# Altium PCB WX0.007.247PCB-4.2.PcbDoc (part 2 of 2) (continued)
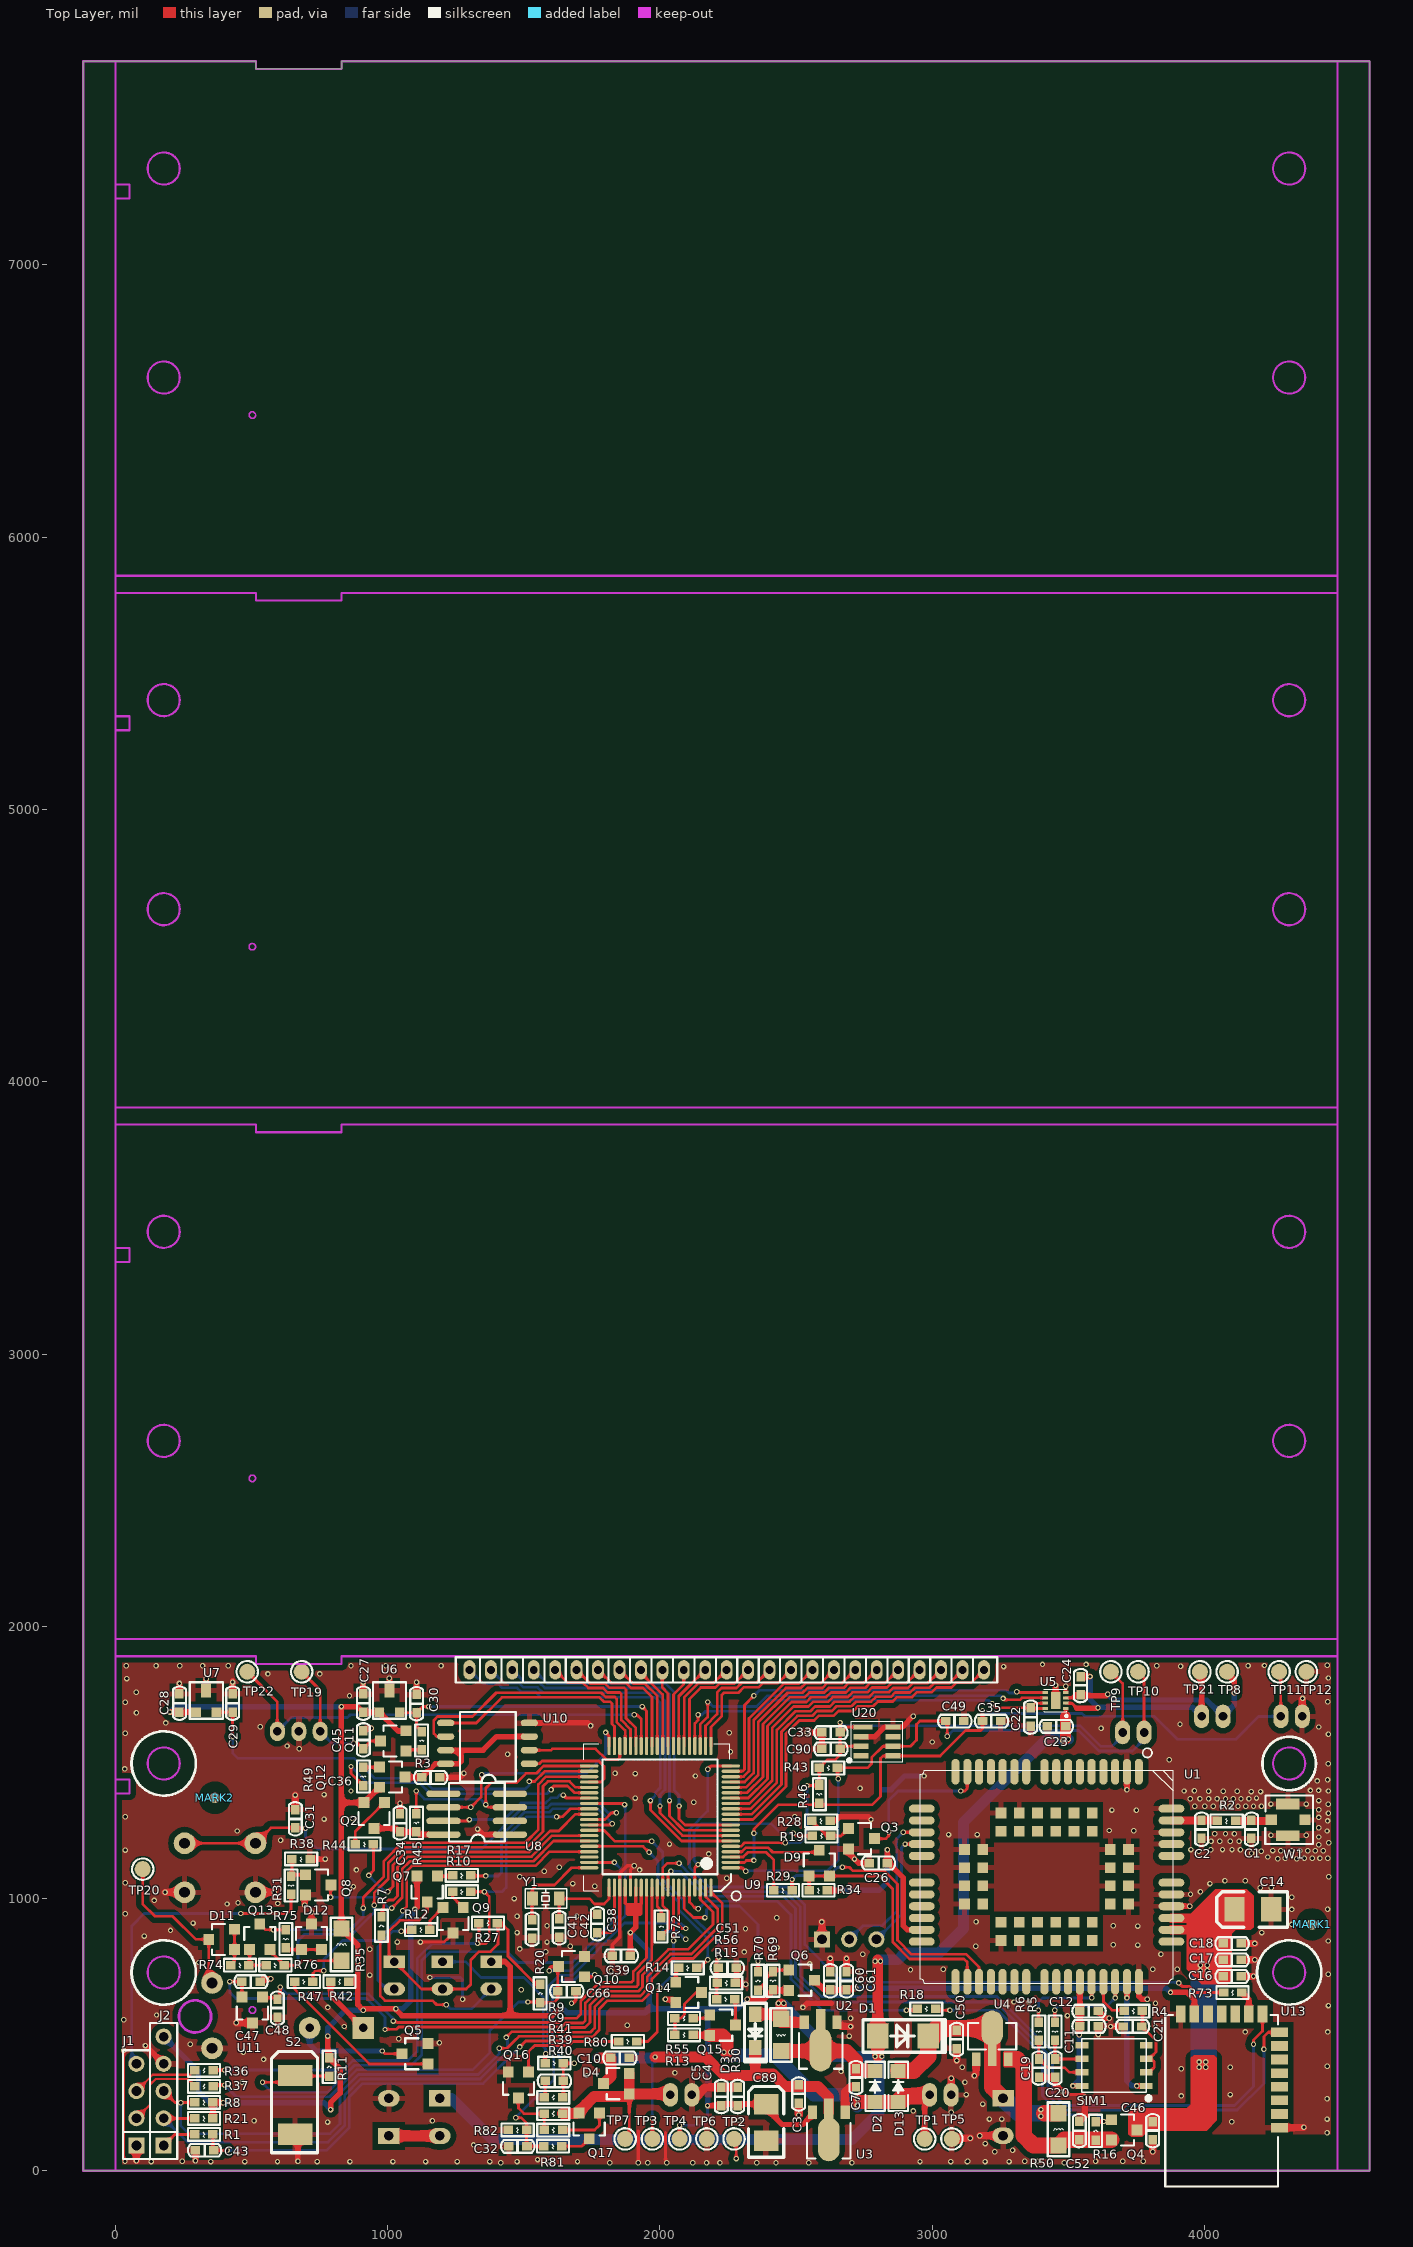
[diagram p0: Top Layer view]
## Nets (pads, with @x,y where several pads share a name; then routed paths per layer and width w, separated by ;. In a path a pad name is that pad's centre, name@x,y a point inside that pad or via, vN(x,y) a via of type N, cw(c..) or ccw(c..) an arc to the next point about the centre after c; other vN are vias at no path point) (continued)
  Top Layer w10: U5.2@3490.41,1717.5 3512.5,1717.5 3531.51,1698.49
  Top Layer w20: 3531.51,1698.49 3606.01,1698.49 v1(3608.76,1701.24) ; C24.1@3545,1815.49 v1(3579.51,1815.49) ; TP21.1@3983,1833 3989.26,1826.74 P3.1@3989.26,1669
  Bottom Layer w20: v1(3579.51,1815.49) 3579.51,1730.49 v1(3608.76,1701.24) 3609.82,1702.31 3955.95,1702.31 P3.1@3989.26,1669 P3.1@3989.26,1665.76
RESET: Q3.3 U1.15 | length 555.8
  Top Layer w10: Q3.3@2787.24,1220 2830,1220 2840,1230 v1(2840,1245) ; v1(3105,1395) 3120,1395 3128.66,1403.66 U1.15@3128.66,1465.83
  Bottom Layer w10: v1(2840,1245) 2840,1360 2875,1395 v1(3105,1395)
RST: C43.1 R1.1 U9.80 | length 2573.4
  Top Layer w10: R1.1@357.86,133.68 357.86,77.64 C43.1@360.49,75 v1(410,75) ; v1(1485,455) 1507,477 1658.92,477 1673.92,492 1752,492 1776.92,516.92 1776.92,595 1806.92,625 1935,625 1970,660 1970,704.45 2045,779.45 2122.02,779.45 2229,886.43 2229,981.51 2187.01,1023.5 U9.80@2187.01,1040.16
  Bottom Layer w10: v1(410,75) 775,75 859,159 859,271.88 907.12,320 1350,320 v1(1485,455)
RXD1: P9.1 TP22.1 U9.34 | length 1732.4
  Top Layer w10: TP22.1@484,1833 594.52,1722.48 P9.1@594.52,1614 ; v1(1905,1675) 1915,1675 1931.1,1658.9 U9.34@1931.1,1559.84
  Bottom Layer w10: P9.1@594.52,1614 645.52,1665 840,1665 852.43,1665 862.43,1675 v1(1905,1675)
RXD5: R72.2 U9.71 U13.9 | length 3361.2
  Top Layer w10: R72.2@2005,863 2032.5,890.5 2032.5,952.47 2009.84,975.13 U9.71@2009.84,1040.16 2009.84,1112.27 2027.57,1130 v1(2070,1130) ; v1(4180,465) 4180,480 4212.72,512.72 U13.9@4212.72,575.55
  Bottom Layer w10: v1(2070,1130) 2070,1129.04 2093,1106.04 2093,1105.53 2173.53,1025 2460,1025 2515,970 2515,718.08 2593.08,640 3238.08,640 3270,608.08 3270,607.57 3287.57,590 3288.08,590 3442,436.08 3442,285.57 3487.57,240 4110,240 4180,310 v1(4180,465)
S0: LCD1.5 U9.36 | length 485.6
  Top Layer w10: LCD1.5@1614.96,1840 1662.63,1792.33 1717.33,1792.33 1736.66,1773 1791.36,1773 1807.38,1756.98 1853.02,1756.98 1858,1752 1858,1655.08 1891.73,1621.35 U9.36@1891.73,1559.84
S1: LCD1.6 U9.35 | length 434.4
  Top Layer w10: LCD1.6@1693.7,1840 1743.7,1790 1798.4,1790 1814.42,1773.98 1869.12,1773.98 1875,1768.1 1875,1662.12 1911.42,1625.71 U9.35@1911.42,1559.84
S2: LCD1.7 U9.32 | length 419.3
  Top Layer w10: LCD1.7@1772.44,1840 1821.46,1790.98 1876.16,1790.98 1894.14,1773 1937,1773 1970.47,1739.53 U9.32@1970.47,1559.84
S3: LCD1.8 U9.31 | length 362.8
  Top Layer w10: LCD1.8@1851.18,1840 1901.18,1790 1944.04,1790 1990.16,1743.88 U9.31@1990.16,1559.84
S4: LCD1.9 U9.30 | length 313.2
  Top Layer w10: LCD1.9@1929.92,1840 1929.92,1829.04 2009.92,1749.04 U9.30@2009.92,1559.92
S5: LCD1.10 U9.29 | length 288.8
  Top Layer w10: LCD1.10@2008.66,1840 2008.66,1774.34 2029.53,1753.47 U9.29@2029.53,1559.84
S6: LCD1.11 U9.28 | length 296
  Top Layer w10: U9.28@2049.21,1559.84 2049.21,1749.21 2087.4,1787.4 LCD1.11@2087.4,1840
S7: LCD1.12 U9.27 | length 320.5
  Top Layer w10: U9.27@2068.9,1559.84 2068.9,1742.94 2165.96,1840 LCD1.12@2166.14,1840
S8: LCD1.13 U9.26 | length 377
  Top Layer w10: U9.26@2088.58,1559.84 2088.58,1738.58 2142,1792 2196.88,1792 LCD1.13@2244.88,1840
S9: LCD1.14 U9.25 | length 433
  Top Layer w10: U9.25@2108.27,1559.84 2108.27,1733.27 2150,1775 2203.92,1775 2218.92,1790 2273.62,1790 LCD1.14@2323.62,1840
S10: LCD1.15 U9.22 | length 441.6
  Top Layer w10: U9.22@2167.32,1559.84 2167.32,1634.36 2210,1677.03 2210,1757.03 2225.97,1773 2280.66,1773 2300.23,1792.57 2354.93,1792.57 LCD1.15@2402.36,1840
S11: LCD1.16 U9.21 | length 496.9
  Top Layer w10: U9.21@2187.01,1559.84 2187.01,1630 2227,1669.99 2227,1748 2235,1756 2287.71,1756 2307.27,1775.57 2361.97,1775.57 2378.2,1791.8 2432.9,1791.8 LCD1.16@2481.1,1840
S12: LCD1.17 U9.18 | length 576.1
  Top Layer w10: U9.18@2259.84,1447.64 2306.68,1447.64 2327,1467.96 2327,1661.86 2455.14,1790 2509.84,1790 LCD1.17@2559.84,1840
S13: LCD1.18 U9.17 | length 663
  Top Layer w10: U9.17@2259.84,1427.95 2311.04,1427.95 2344,1460.92 2344,1654.81 2462.19,1773 2516.88,1773 2534.44,1790.56 2589.14,1790.56 LCD1.18@2638.58,1840
S14: LCD1.19 U9.16 | length 749.9
  Top Layer w10: U9.16@2259.84,1408.27 2315.39,1408.27 2361,1453.88 2361,1647.77 2469.23,1756 2523.93,1756 2541.48,1773.56 2596.18,1773.56 2613.81,1791.19 2668.51,1791.19 LCD1.19@2717.32,1840
S15: LCD1.20 U9.15 | length 836.8
  Top Layer w10: U9.15@2259.84,1388.58 2319.75,1388.58 2378,1446.83 2378,1640.73 2476.27,1739 2530.97,1739 2548.53,1756.56 2603.22,1756.56 2620.85,1774.19 2675.55,1774.19 2692.68,1791.32 2747.38,1791.32 LCD1.20@2796.06,1840
S16: LCD1.21 U9.14 | length 923.7
  Top Layer w10: U9.14@2259.84,1368.9 2324.11,1368.9 2395,1439.79 2395,1633.69 2483.31,1722 2538.01,1722 2555.57,1739.56 2610.27,1739.56 2627.9,1757.19 2682.59,1757.19 2699.72,1774.32 2754.42,1774.32 2772.02,1791.92 2826.72,1791.92 LCD1.21@2874.8,1840
S17: LCD1.22 U9.13 | length 1010.6
  Top Layer w10: U9.13@2259.84,1349.21 2328.46,1349.21 2412,1432.75 2412,1626.65 2490.35,1705 2545.05,1705 2562.61,1722.56 2617.31,1722.56 2634.94,1740.19 2689.64,1740.19 2706.77,1757.32 2761.46,1757.32 2779.06,1774.92 2833.76,1774.92 2849.42,1790.58 2904.12,1790.58 LCD1.22@2953.54,1840
S18: LCD1.23 U9.12 | length 1097.5
  Top Layer w10: U9.12@2259.84,1329.53 2332.82,1329.53 2429,1425.71 2429,1619.61 2497.39,1688 2552.09,1688 2569.65,1705.56 2624.35,1705.56 2641.98,1723.19 2696.68,1723.19 2713.81,1740.32 2768.51,1740.32 2786.1,1757.92 2840.8,1757.92 2856.46,1773.58 2911.16,1773.58 2928.79,1791.21 2983.49,1791.21 LCD1.23@3032.28,1840
S19: LCD1.24 U9.11 | length 1184.4
  Top Layer w10: U9.11@2259.84,1309.84 2337.18,1309.84 2446,1418.67 2446,1612.56 2504.44,1671 2559.13,1671 2576.69,1688.56 2631.39,1688.56 2649.02,1706.19 2703.72,1706.19 2720.85,1723.32 2775.55,1723.32 2793.15,1740.92 2847.84,1740.92 2863.51,1756.58 2918.2,1756.58 2935.83,1774.21 2990.53,1774.21 3008.16,1791.84 3062.86,1791.84 LCD1.24@3111.02,1840
S20: LCD1.25 U9.10 | length 1271.4
  Top Layer w10: U9.10@2259.84,1290.16 2341.78,1290.16 2463,1411.37 2463,1605.52 2511.48,1654 2566.18,1654 2583.73,1671.56 2638.43,1671.56 2656.06,1689.19 2710.76,1689.19 2727.89,1706.32 2782.59,1706.32 2800.19,1723.92 2854.89,1723.92 2870.55,1739.58 2925.25,1739.58 2942.88,1757.21 2997.57,1757.21 3015.2,1774.84 3069.9,1774.84 3087.53,1792.47 3142.23,1792.47 LCD1.25@3189.76,1840
SET: Q8.3 U9.55 | length 1176.8
  Top Layer w10: Q8.3@787.24,1050 790,1047.24 v1(790,1005) ; v1(1015,965) 1053,1003 1053,1108.66 1081.34,1137 1535.08,1137 1609.5,1211.42 U9.55@1740.16,1211.42
  Bottom Layer w10: v1(790,1005) 962.43,1005 1002.43,965 v1(1015,965)
SIM_CLK: C20.1 R5.1 SIM1.6 | length 167.2
  Top Layer w10: R5.1@3450.88,478.87 3450.88,411.61 C20.1@3451.88,410.61 3549.04,410.61 SIM1.6@3550,411.57
SIM_DATA: C21.1 R4.2 SIM1.2 SIM1.3 | length 289.6
  Top Layer w10: R4.2@3772,587.08 3772,533.23 C21.1@3768.86,530.08 3770.11,530.08 3821.84,478.36 3821.84,436.84 3796.57,411.57 3803.43,411.57 3815,400 3815,380 3796.57,361.57 SIM1.2@3786.22,361.57
SIM_RST: C19.1 R6.1 SIM1.7 | length 256.1
  Top Layer w10: R6.1@3391.13,478.87 3391.13,411.61 C19.1@3392.13,410.61 3424.62,378.12 3486.88,378.12 3503.43,361.57 SIM1.7@3550,361.57 SIM1.7@3543.45,368.12
SLEEP: C22.2 U5.7 U5.8 U9.24 | length 1488.3
  Top Layer w10: U9.24@2127.95,1559.84 2127.95,1643.07 2140,1655.12 v1(2140,1675) ; v1(3220,1715) 3234.65,1700.35 C22.2@3361,1700.35 3378.16,1717.51 U5.7@3415.6,1717.51 ; C22.2@3363.53,1697.82 U5.8@3415.6,1697.82
  Bottom Layer w10: v1(2140,1675) 2155,1675 2168,1688 2362.04,1688 2402.04,1728 3207,1728 v1(3220,1715)
STATE_BLE: R73.2 U13.10 | length 90.1
  Top Layer w20: R73.2@4137,655 4162.72,629.28 U13.10@4162.72,575.55
SWCLK: J2.2 R21.2 U9.78 | length 2822.2
  Top Layer w10: J2.2@177.64,192.36 R21.2@290.86,192.36 ; v1@1434,489 v1(1435,490) 1456,511 1644.83,511 1659.83,526 1723.92,526 1742.92,545 1742.92,609.08 1792.83,659 1920,659 1936,675 1936,718.53 2030.92,813.45 2103.45,813.45 2195,905 2195,950.02 2157.35,987.67 2147.64,997.38 U9.78@2147.64,1040.16
  Bottom Layer w10: J2.2@177,193 265,105 780.96,105 842,166.04 842,278.92 900.08,337 1339.43,337 1440,437.57 1440,485 v1(1435,490)
SWIO: J2.3 R8.2 U9.79 | length 2829.5
  Top Layer w10: J2.3@177,293 218.96,251.04 R8.2@290.86,251.04 ; v1(1410,450) 1437.43,450 1465,477.57 1465.15,477.57 1481.57,494 1651.88,494 1666.88,509 1744.96,509 1759.92,523.96 1759.92,602.04 1799.88,642 1927.96,642 1953,667.04 1953,711.49 2037.96,796.45 2114.98,796.45 2212,893.47 2212,962.28 2169.1,1005.18 2169.1,1040.16 U9.79@2167.32,1040.16
  Bottom Layer w10: v1@240,251.04 240,165 268.46,136.54 788.46,136.54 825,173.08 825,285.96 893.04,354 1332.38,354 1410,431.62 v1(1410,450)
  other v1: 240,250
TXD5: U9.72 U13.8 | length 3118.2
  Top Layer w10: U9.72@2029.53,1040.16 2029.53,1089.53 v1(2040,1100) ; v1(4218.28,446.72) 4218.28,493.28 4233.62,508.62 U13.8@4275.32,508.62
  Bottom Layer w10: v1(2040,1100) 2075,1100 2076,1099 2076,1098.49 2166.49,1008 2452.96,1008 2498,962.96 2498,711.04 2589.04,620 3234.04,620 3253,601.04 3253,600.53 3280.53,573 3281.04,573 3425,429.04 3425,278.53 3480.53,223 4120,223 4218.28,321.28 v1(4218.28,446.72)
USIM_CLK: R5.2 U1.41 | length 357.2
  Top Layer w10: v1(3450,590) 3450,536.75 R5.2@3450.88,535.87 ; v1(3671.97,635) U1.41@3671.97,694.17
  Bottom Layer w10: v1(3450,590) 3450,595 3460,605 3641.97,605 v1(3671.97,635)
USIM_DATA: R4.1 U1.40 | length 163.4
  Top Layer w10: U1.40@3628.66,694.17 3628.66,621.34 3660,590 3702.08,590 R4.1@3705,587.08
USIM_GND: SIM1.1 U1.42 | length 443
  Top Layer w20: v1@3715.28,635 U1.42@3715.28,694.17 ; v1(3751.57,311.57) SIM1.1@3786.22,311.57
  Bottom Layer w20: v1(3715,635) 3715,330 3733.43,311.57 v1(3751.57,311.57)
USIM_RST: R6.2 U1.39 | length 345.1
  Top Layer w10: v1(3390,590) 3390,537 R6.2@3391.13,535.87 ; v1(3585.35,635.35) U1.39@3585.35,694.17
  Bottom Layer w10: v1(3390,590) 3390,620 3405,635 3585,635 v1(3585.35,635.35)
USIM_VDD: C11.1 C12.1 SIM1.8 U1.38 | length 426.6
  Top Layer w20: v1(3516.57,311.57) SIM1.8@3550,311.57 ; v1(3540,500) 3540,529.52 3542.05,531.57 U1.38@3542.05,694.17
  Bottom Layer w20: v1(3516.57,311.57) 3540,335 v1(3540,500)
VBAT: D4.1 D4.2 P2.2 Q17.2 R39.2 TP7.1 | length 643.7
  Top Layer w10: TP7.1@1887.24,132.24 D4.1@1887.24,273
  Top Layer w40: R39.2@1642,210 1695,210 1758,273 1887.24,273 D4.1@1887.24,282.6 ; D4.2@1887.24,357.4 D4.1@1887.24,282.6 ; P2.2@2034.4,282.6 D4.1@1887.24,282.6
VBAT_ADC: C32.2 R81.2 R82.1 U9.74 | length 1512.9
  Top Layer w10: v1(1470,195) 1490,195 1510,175 R82.1@1510,150 C32.2@1510,91.51 ; C32.2@1511.51,90 R81.2@1573,90 ; U9.74@2068.9,1040.16 2068.9,901.1 2080,890 2084,890
  Bottom Layer w10: v1(1470,195) 1610,335 1610,442.43 1588,464.43 1588,677.04 1628.96,718 1678,718 1870,910 2075,910 v1(2095,890)
VBAT_CTL: R80.1 U9.73 | length 644.8
  Top Layer w10: R80.1@1915,475 1955,475 1990,510 1990,660 2000,670 v1(2000,672.5) ; U9.73@2049.21,1040.16 2049.21,959.8 2050,959.01 v1(2050,845)
  Bottom Layer w10: v1(2000,672.5) 2050,722.5 v1(2050,845)
VDD: C14.1 C16.1 C17.1 C18.1 C46.1 Q4.3 U1.45 U1.46 | length 172.6
  Top Layer w35: U1.45@3878.66,885.12 3964.88,885.12 ; U1.46@3878.66,928.43 3965,928.43
  other v1: 3980,380 4005,380 3980,400 4005,400 3985,735 4010,735 3985,755 4010,755
VDD_BLE: C60.1 C61.1 Q6.3 U13.14 | length 1518.1
  Top Layer w20: Q6.3@2567.24,700 2602.74,664.51 C60.1@2625,664.51 C61.1@2685,664.51 2690.49,670 v1(2720,670) ; v1(3875,655) 3935,655 3962.72,627.28 U13.14@3962.72,571.61
  Bottom Layer w20: v1(2720,670) 3465,670 ; 3497,670 3465,670 ; v1(3875,655) 3859.65,670.35 3465.35,670.35 3465,670
VDD_BLE_CTL: R70.1 U9.75 | length 595.1
  Top Layer w10: U9.75@2088.58,1040.16 2088.58,963.99 2122.57,930 v1(2165,930) ; R70.1@2360,731 v1(2360,770)
  Bottom Layer w10: v1(2165,930) 2170.51,935.51 2170.51,958.51 2185,973 2292,973 2360,905 v1(2360,770)
VDD_EXT: C26.1 R34.1 U1.26 | length 719.8
  Top Layer w20: R34.1@2615,1030 v1(2670,1030) ; C26.1@2835.49,1130 v1(2835.49,1179.51) ; C26.1@2845.49,1124.51 2894,1076 2894,900 2908.88,885.12 U1.26@2961.34,885.12
  Bottom Layer w20: v1(2670,1030) 2805,1030 2835.49,1060.49 v1(2835.49,1179.51)
VIN: D2.1 D13.1 P1.2 Q15.2 R13.2 TP1.1 | length 1286.5
  Top Layer w20: R13.2@2122,500 2124.4,497.6 Q15.2@2182.76,497.6 ; TP1.1@2963,108 TP1.1@2972,117 2972,260.37 P1.2@2990.63,279
  Top Layer w50: Q15.2@2182.76,497.6 2229.39,497.6 2245,481.99 2245,435 ; 2727.91,252.91 D2.1@2790,252.91 D13.1@2875,252.91 2892.2,252.91 2909.29,270 P1.2@2966.17,270 ; D13.1@2869.46,258.46 2890,279 P1.2@2990.63,279
  Bottom Layer w50: 2250,425 2420,425 2565,280 2685,280 v1(2725,240)
  other v1: 2725,265 2235,435 2260,435
VIN_ADC: C51.2 R15.2 R56.1 U9.53 | length 929.3
  Top Layer w10: U9.53@1740.16,1250.79 1794.21,1250.79 1835,1210 v1(1970,1210) ; R15.2@2208,630 2208,759.51 v1@2208,778 ; v1@2215,778 v1(2215,785)
  Bottom Layer w10: v1(1970,1210) 2010,1170 2010,1069.04 2085,994.04 2085,967.57 2152.57,900 2154.49,900 2215,839.49 v1(2215,785)
VIN_NB: C7.1 D2.2 R30.1 U2.2 | length 396.9
  Top Layer w50: R30.1@2445,440 2685,440 2720,405 C7.1@2720,375.49 2720,368 2789.09,368 D2.2@2790,367.09
WY_POW: C33.2 C90.2 P6.1 R43.1 R46.2 TP9.1 U9.5 U20.1 U20.3 | length 2302.7
  Top Layer w10: U9.5@2259.84,1191.73 2296.73,1191.73 2310,1205 v1(2460,1205) ; v1(2540,1415) R46.2@2582.62,1415 ; R46.2@2585,1421.62 R43.1@2585,1480 2615,1510 2645,1510 2661.51,1526.51 C90.2@2661.51,1550 2661.51,1605 2686.67,1630.16 U20.1@2745.91,1630.16 ; C33.2@2661.51,1610 v1(2661.51,1646.51) ; C90.2@2665.8,1559.29 U20.3@2738.03,1559.29 ; TP9.1@3656,1833 3699.26,1789.74 P6.1@3699.26,1610
  Bottom Layer w10: v1(2460,1205) 2515,1205 2540,1230 v1(2540,1415) ; v1(2661.51,1646.51) 2673.02,1635 3543.34,1635 3619.34,1559 3660,1559 3699.26,1598.26 P6.1@3699.26,1610
WY_SCL: C35.1 P7.1 R46.1 TP11.1 U9.2 U20.5 | length 2684.4
  Top Layer w10: U9.2@2259.84,1132.68 2309.8,1132.68 2317.12,1140 v1(2345,1140) ; v1(2345,1240) 2345,1255 2435,1345 2780,1345 2810,1375 2810,1515 2818.86,1523.86 U20.5@2856.14,1523.86 3028.86,1523.86 3122,1617 3179,1617 3184.51,1622.51 C35.1@3184.51,1652 v1(3184.51,1689.51) ; TP11.1@4274,1833 4280.26,1826.74 P7.1@4280.26,1669
  Bottom Layer w10: v1(2345,1140) 2345,1230 ; v1(2345,1240) 2355,1240 ; v1(3184.51,1689.51) 3194.02,1680 3550,1680 3560,1670 3815,1670 3900,1585 4115,1585 4199,1669 P7.1@4280.26,1669
WY_SDA: C49.1 P6.2 R43.2 TP10.1 U9.1 U20.6 | length 2364.8
  Top Layer w10: U9.1@2259.84,1112.99 2302.01,1112.99 v1(2315,1100) ; v1@2652,1443 R43.2@2652,1480 2762.59,1480 2777.59,1495 2777.59,1517.59 2819.29,1559.29 U20.6@2856.14,1559.29 2920,1559.29 2942.43,1581.72 2942.43,1640 2954.43,1652 C49.1@3049.51,1652 3055,1646.51 v1(3055,1595.98) ; TP10.1@3756,1833 3778,1811 P6.2@3778,1610
  Bottom Layer w10: v1(2315,1100) 2317,1102 2614.57,1102 2655,1142.43 v1(2655,1440) ; v1(3055,1595.98) 3076.02,1617 3537.3,1617 3612.3,1542 3735,1542 3778,1585 P6.2@3778,1610
X1: R11.2 S2.1 U9.59 | length 2350.9
  Top Layer w10: v1(540,325) S2.1@635,325 ; S2.1@660,350 662,348 R11.2@785,348 ; U9.59@1740.16,1132.68 v1(1832.68,1132.68)
  Bottom Layer w10: v1(540,325) 540,322.39 573.39,289 779.96,289 878.96,388 1088,388 1125,425 1125,771.96 1158.04,805 1437.48,805 1477.48,765 1676.92,765 1855,943.08 1855,1110.35 v1(1832.68,1132.68)
XT1: C42.1 U9.61 Y1.1 | length 314.9
  Top Layer w10: C42.1@1630,925.49 Y1.1@1630,999.65 1740.35,999.65 1760,980 1795,980 1812.99,997.99 U9.61@1812.99,1040.16
XT2: C41.2 U9.60 Y1.2 | length 352.8
  Top Layer w10: C41.2@1530,921.51 Y1.2@1530,998.07 ; Y1.2@1531.57,999.65 1531.57,1035 1546.57,1050 1612.01,1050 1675,1112.99 U9.60@1740.16,1112.99
pads on no net: MARK1.0 MARK1.1 MARK2.0 MARK2.1 SIM1.4 SIM1.5 U1.1 U1.3 U1.4 U1.5 U1.6 U1.7 U1.8 U1.9 U1.10 U1.11 U1.12 U1.13 U1.14 U1.16 U1.17 U1.18 U1.21 U1.22 U1.23 U1.24 U1.25 U1.27 U1.28 U1.31 U1.32 U1.33 U1.34 U1.35 U1.36 U1.37 U1.44 U1.49 U1.50 U1.55 U1.56 U1.57 U1.58 U1.67 U1.68 U1.69 U1.70 U1.75 U1.76 U1.77 U1.78 U1.79 U1.80 U1.84 U1.85 U1.86 U1.87 U1.88 U1.89 U1.90 U1.91 U8.2 U8.4 U8.5 U9.58 U13.2 U13.3 U13.4 U13.5 U13.6 U13.7 U13.11 U13.12 U13.13 U20.4 U20.7

## Polygon pours and split planes (outlines as drawn)
GND on Top Layer "GND" (solid, remove dead copper, pour order 4): -55,1930 4535,1930 4535,-35 4505,-65 -55,-65 -55,1915 -45,1925
GND on Bottom Layer "GND" (solid, remove dead copper, pour order 3): -55,1930 4535,1930 4535,-35 4505,-65 -55,-65 -55,1915 -45,1925

## Keep-outs
Keep-Out Layer:
  circle w5: c502.76,590.55 r11.81
  circle w8: c4311.01,2681.11 r59.06
  circle w8: c4311.02,3448.82 r59.06
  circle w8: c177.15,3448.85 r59.06
  circle w8: c177.15,2681.13 r59.06
  circle w5: c502.76,2543.31 r11.81
  circle w8: c4311.01,4633.86 r59.06
  circle w8: c4311.02,5401.58 r59.06
  circle w8: c177.15,5401.61 r59.06
  circle w8: c177.15,4633.89 r59.06
  circle w5: c502.76,4496.06 r11.81
  circle w8: c4311.01,6586.62 r59.06
  circle w8: c4311.02,7354.34 r59.06
  circle w8: c177.15,7354.36 r59.06
  circle w8: c177.15,6586.65 r59.06
  circle w5: c502.76,6448.82 r11.81
  circle w8: c177.14,728.36 r59.06
  circle w8: c177.15,1496.08 r59.06
  circle w8: c4311.01,1496.05 r59.06
  circle w8: c4311,728.33 r59.06
  circle w8: c4311.02,728.33 r59.06
  circle w8: c4311.03,1496.05 r59.06
  circle w8: c177.16,1496.08 r59.06
  circle w8: c177.16,728.36 r59.06
  lines w8: 4606.29,-0.03 4606.29,7748.04 4488.19,7748.04 ; 4606.3,0 4488.17,0 ; 0,0 -118.11,0 -118.11,7748.07 -0.01,7748.07 ; -0.02,0 -0.02,1889.78 ; -0.02,0 4488.17,0 ; -0.02,0 -0.02,1385.83 ; -0.02,0 4488.18,0 ; -0.01,0 4488.18,0 ; -0.01,0 -0.01,1385.83 ; -0.01,0 4488.18,0 ; -0.01,0 -0.01,1385.83 ; -0.01,0 0,0 ; 0,0 0,7748.07 ; 0,0 0,1385.83 ; 0,0 4488.19,0 ; 0,0 0,1385.83 ; 0,0 4488.19,0 ; 0,0 4488.19,0 ; 0,0 0,1385.83 ; 0,0 4488.19,0 ; 0,0 0,1889.78 ; -0.02,1385.83 51.17,1385.83 ; -0.01,1385.83 51.17,1385.83 ; -0.01,1385.83 51.17,1385.83 ; 0,1385.83 51.18,1385.83 ; 0,1385.83 51.18,1385.83 ; 0,1385.83 51.18,1385.83 ; -0.02,1437.01 51.17,1437.01 ; -0.01,1437.01 -0.01,1889.78 ; -0.01,1437.01 -0.01,1889.78 ; -0.01,1437.01 51.17,1437.01 ; -0.01,1437.01 -0.01,1889.78 ; -0.01,1437.01 51.17,1437.01 ; 0,1437.01 51.18,1437.01 ; 0.01,1437.01 0.01,1889.78 ; 0,1437.01 51.18,1437.01 ; 0.01,1437.01 0.01,1889.78 ; 0.01,1437.01 0.01,1889.78 ; 0,1437.01 51.18,1437.01 ; -0.02,1889.78 515.76,1889.78 ; 0,1889.78 515.77,1889.78 ; -0.01,1952.77 -0.01,3338.6 ; -0.01,1952.77 4488.19,1952.77 ; -0.01,1952.77 -0.01,3338.6 ; -0.01,1952.77 4488.19,1952.77 ; -0.01,1952.77 4488.19,1952.77 ; -0.01,1952.77 -0.01,3338.6 ; -0.01,1952.77 4488.18,1952.77 4488.18,3842.55 830.72,3842.55 830.72,3814.82 515.76,3814.82 515.76,3842.55 -0.01,3842.55 ; -0.01,1952.77 -0.01,3842.55 ; -0.01,3338.6 51.17,3338.6 ; -0.01,3338.6 51.17,3338.6 ; -0.01,3338.6 51.17,3338.6 ; -0.01,3389.78 51.17,3389.78 ; 0,3389.78 0,3842.55 ; -0.01,3389.78 51.17,3389.78 ; 0,3389.78 0,3842.55 ; 0,3389.78 0,3842.55 ; -0.01,3389.78 51.17,3389.78 ; -0.01,3905.53 -0.01,5291.36 ; -0.01,3905.53 4488.19,3905.53 ; -0.01,3905.53 -0.01,5291.36 ; -0.01,3905.53 4488.19,3905.53 ; -0.01,3905.53 4488.19,3905.53 ; -0.01,3905.53 -0.01,5291.35 ; -0.01,3905.53 4488.18,3905.53 4488.18,5795.31 830.72,5795.31 830.72,5767.58 515.76,5767.58 515.76,5795.31 -0.01,5795.31 ; -0.01,3905.53 -0.01,5795.31 ; -0.01,5291.36 51.17,5291.36 ; -0.01,5291.36 51.17,5291.36 ; -0.01,5291.35 51.17,5291.35 ; -0.01,5342.54 51.17,5342.54 ; 0,5342.54 0,5795.31 ; -0.01,5342.54 51.17,5342.54 ; 0,5342.54 0,5795.31 ; 0,5342.54 0,5795.31 ; -0.01,5342.54 51.17,5342.54 ; -0.01,5858.28 -0.01,7244.11 ; -0.01,5858.28 4488.19,5858.28 ; -0.01,5858.28 -0.01,7244.11 ; -0.01,5858.28 4488.19,5858.28 ; -0.01,5858.28 4488.19,5858.28 ; -0.01,5858.28 -0.01,7244.11 ; -0.01,5858.28 4488.18,5858.28 4488.18,7748.07 ; -0.01,5858.28 -0.01,7748.07 ; -0.01,7244.11 51.17,7244.11 ; -0.01,7244.11 51.17,7244.11 ; -0.01,7244.11 51.17,7244.11 ; -0.01,7295.29 51.17,7295.29 ; 0,7295.29 0,7748.07 ; -0.01,7295.29 51.17,7295.29 ; 0,7295.29 0,7748.07 ; 0,7295.29 0,7748.07 ; -0.01,7295.29 51.17,7295.29 ; -0.01,7748.07 515.76,7748.07 515.76,7720.33 830.72,7720.33 830.72,7748.07 4488.18,7748.07 ; 51.17,1385.83 51.17,1437.01 ; 51.17,1385.83 51.17,1437.01 ; 51.17,1385.83 51.17,1437.01 ; 51.18,1385.83 51.18,1437.01 ; 51.18,1385.83 51.18,1437.01 ; 51.18,1385.83 51.18,1437.01 ; 51.17,3338.6 51.17,3389.78 ; 51.17,3338.6 51.17,3389.78 ; 51.17,3338.6 51.17,3389.78 ; 51.17,5291.36 51.17,5342.54 ; 51.17,5291.36 51.17,5342.54 ; 51.17,5291.35 51.17,5342.54 ; 51.17,7244.11 51.17,7295.29 ; 51.17,7244.11 51.17,7295.29 ; 51.17,7244.11 51.17,7295.29 ; 515.76,1862.05 515.76,1889.78 ; 515.76,1862.05 830.72,1862.05 ; 515.77,1862.05 515.77,1889.78 ; 515.77,1862.05 830.73,1862.05 ; 830.72,1862.05 830.72,1889.78 ; 830.73,1862.05 830.73,1889.78 ; 830.72,1889.78 4488.17,1889.78 4488.17,0 ; 830.73,1889.78 4488.19,1889.78 4488.19,0 ; 4488.18,0 4488.18,1889.75 ; 4488.18,0 4488.18,1889.75 ; 4488.18,0 4488.18,1889.75 ; 4488.17,0 4488.17,7748.07 ; 4488.19,0 4488.19,1889.75 ; 4488.19,0 4488.19,1889.75 ; 4488.19,0 4488.19,1889.75 ; 4488.19,1952.77 4488.19,3842.52 ; 4488.19,1952.77 4488.19,3842.52 ; 4488.19,1952.77 4488.19,3842.52 ; 4488.19,3905.53 4488.19,5795.28 ; 4488.19,3905.53 4488.19,5795.28 ; 4488.19,3905.53 4488.19,5795.28 ; 4488.19,5858.28 4488.19,7748.04 ; 4488.19,5858.28 4488.19,7748.04 ; 4488.19,5858.28 4488.19,7748.03

## Other copper
Top Layer:
  region net 3.3V: 1930,982.5 1935,977.5 1935,942.5 1930,937.5 1880,937.5 1875,942.5 1875,977.5 1880,982.5
  pour cut-out: 4478.2,135 3836.47,135 3836.47,-40 4478.19,-40
  region net NetC52_1: 3265,440 3320,440 3325,435 3325,380 3265,380 3260,385 3260,435
  region net VDD: 3730,125 3772,125 3795,148 4008,148 4045,185 4045,415 4035,425 3960,425 3950,415 3950,245 3935,230 3737,230 3720,213 3720,135
  region net VDD: 4155,1035 4180,1010 4180,895 4170,885 4115,885 4100.5,870.5 4100.5,700.5 4085,685 3990,685 3935,740 3935,930 4040,1035
  pour cut-out: 4194.06,727.08 ccw(c4312.17,727.08) 4312.17,608.97 ccw(c4312.17,727.08) 4430.28,727.08 ccw(c4312.17,727.08) 4312.17,845.19 ccw(c4312.17,727.08)
  pour cut-out: 57.11,727.77 ccw(c175.23,727.77) 175.23,609.66 ccw(c175.23,727.77) 293.34,727.77 ccw(c175.23,727.77) 175.23,845.89 ccw(c175.23,727.77)
  pour cut-out: 58.14,1497.27 ccw(c176.25,1497.27) 176.25,1379.16 ccw(c176.25,1497.27) 294.36,1497.27 ccw(c176.25,1497.27) 176.25,1615.38 ccw(c176.25,1497.27)
  pour cut-out: 4212.39,1490.43 ccw(c4310.81,1490.43) 4310.81,1392 ccw(c4310.81,1490.43) 4409.24,1490.43 ccw(c4310.81,1490.43) 4310.81,1588.85 ccw(c4310.81,1490.43)
Bottom Layer:
  pour cut-out: 4478.2,135 3836.47,135 3836.47,-40 4478.19,-40
  region net VDD: 3960,360 4035,360 4045,370 4045,765 4035,775 3960,775 3950,765 3950,370
  pour cut-out: 4204.76,726.05 ccw(c4313.03,726.05) 4313.03,617.78 ccw(c4313.03,726.05) 4421.3,726.05 ccw(c4313.03,726.05) 4313.03,834.32 ccw(c4313.03,726.05)
  pour cut-out: 68.76,728.05 ccw(c177.03,728.05) 177.03,619.78 ccw(c177.03,728.05) 285.3,728.05 ccw(c177.03,728.05) 177.03,836.32 ccw(c177.03,728.05)
  pour cut-out: 69.47,1496.01 ccw(c177.73,1496.01) 177.73,1387.74 ccw(c177.73,1496.01) 286,1496.01 ccw(c177.73,1496.01) 177.73,1604.28 ccw(c177.73,1496.01)
  pour cut-out: 4203.06,1497.31 ccw(c4311.33,1497.31) 4311.33,1389.05 ccw(c4311.33,1497.31) 4419.6,1497.31 ccw(c4311.33,1497.31) 4311.33,1605.58 ccw(c4311.33,1497.31)

## Silkscreen, mask and mechanical layers (free items; w line width, h text height)
Top Overlay:
  circle w6: c3790,1535 r17.2
  circle w10: c177.17,728.36 r118.11
  circle w10: c177.17,1496.08 r118.11
  circle w10: c4311.03,1496.05 r98.43
  circle w10: c4311.03,728.33 r118.11
  circle w6: c2280,1010 r17.2
Bottom Overlay:
  circle w10: c502.76,590.55 r118.11
  circle w10: c383.86,1112.87 r305.12
  circle w10: c4311.03,1496.05 r118.11
  circle w10: c4311.03,728.33 r118.11
  circle w10: c177.17,728.36 r118.11
  circle w10: c177.17,1496.08 r118.11
  rectangle: 2880.75,555 3865,830.59
  lines w6: 985,330 1035,330 ; 1155,65 1205,65 ; 2160,370 2210,370 ; 3074,384 3151,384 ; 3191,57 3268,57
  lines w8: 438,375 515,375
  text "G" at 4377,1743 h34
  text "CHK" at 4266,1733 h34 r270
  text "光电" at 478,1615 h100
  text "R" at 4077,1538 h34
  text "B" at 3999,1537 h34
  text "POW" at 3674,1426 h34 r270
  text "SDA" at 3748,1420 h34 r270
  text "WX0.007.247PCB-4.2" at 4170,1040 h34
  text "102010402-0189" at 4170,988.75 h34
  text "2022-6-23" at 4170,937.5 h34
  text "WLWn-P52" at 4170,886.25 h34
  text "V1" at 4170,835 h34
  text "+" at 1339,817 h34 r270
  text "+" at 984,815 h34 r270
  text "+" at 1160,815 h34 r270
  text "G" at 2605,755 h34
  text "R" at 2705,755 h34
  text "T" at 2787.08,753.73 h34
  text "+" at 405.13,723.5 h80 r270
  text "S" at 53,593 h34
  text "白" at 1055,545 h100
  text "黑" at 1240,545 h100
  text "灯" at 1420,545 h100
  text "T" at 52,543 h34
  text "R" at 52,499 h34
  text "V" at 263,472 h34
  text "G" at 50,451 h34
  text "主电" at 3120,450 h100
  text "备电" at 2160,405 h100
  text "G" at 258,372 h34
  text "+" at 2940,360 h80 r270
  text "+" at 1997.25,341.99 h80 r270
  text "+" at 1145,320 h80 r270
  text "I" at 255,280 h34
  text "C" at 260,179 h34
  text "R" at 262,75 h34
  text "+" at 1012.25,31.99 h80 r270
Mechanical 15:
  lines w8: 956,668 976,668
  lines w10: 1105.33,693.58 cw(c1024,719) 1106.37,697.17 ; 1282.33,693.58 cw(c1201,719) 1283.37,697.17 ; 1460.33,693.58 cw(c1379,719) 1461.37,697.17

## Text inside footprints (layer, text, board x,y; h text height)
B1: Bottom Overlay "+" at 910,695 h80
C13: Bottom Overlay "+" at 3304,420 h80 r90
LCD1: Bottom Overlay "25" at 3384.62,1752.89 h34; Bottom Overlay "1" at 1198.48,1752.89 h34